# KiCad board led_res_0805_order.kicad_pcb (continued)
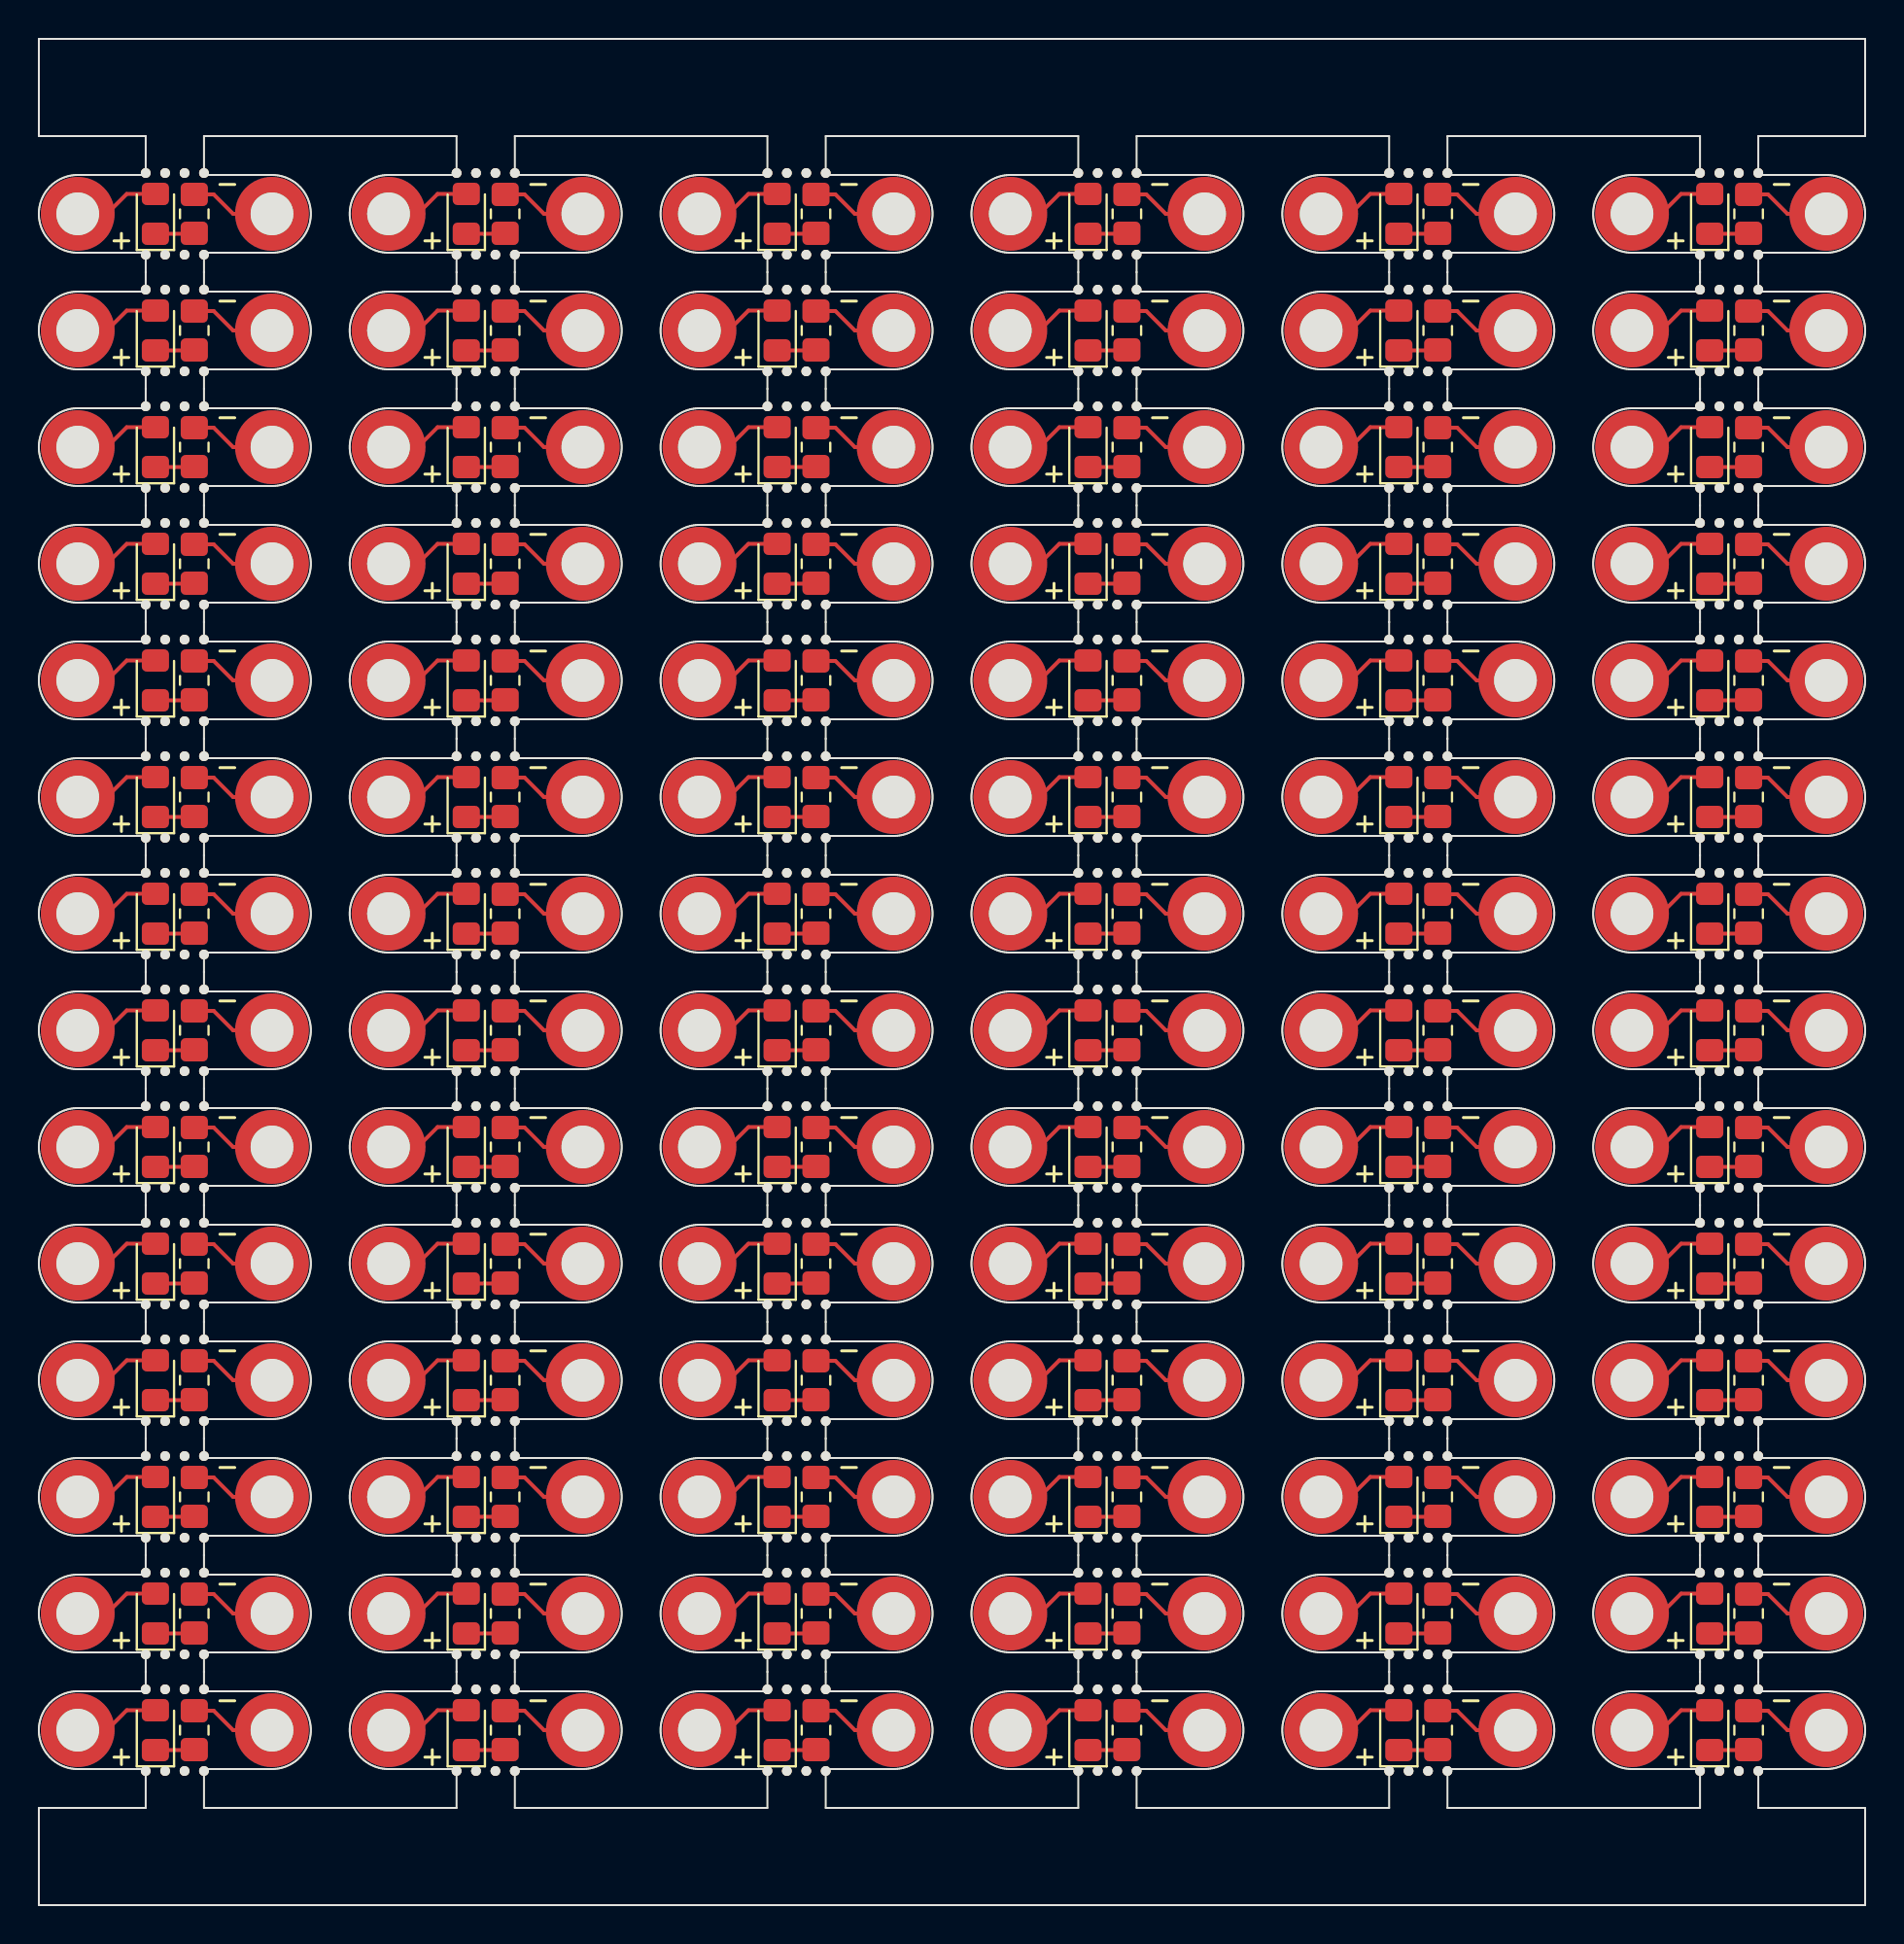
[diagram p0: board, top side]
## Routing (per net, layer and track width the routed paths; a pad name or vN(x,y) marks a point on that pad's centre or on a via; arc(x,y) is an arc through that point) (continued)
Board_7-Net-(D1-K): length 2
  Top w0.2: R1#19.1 23.97,79.98 D1#25.1
Board_7-Net-(H2-Pad1): length 4.4
  Top w0.2: R1#19.2 25,82 26,81 H2#17.1
Board_8-Net-(D1-A): length 4.4
  Top w0.2: D1#51.2 36.52,82.03 35.5,81 H1#7.1
Board_8-Net-(D1-K): length 2
  Top w0.2: R1#20.1 39.97,79.98 D1#51.1
Board_8-Net-(H2-Pad1): length 4.4
  Top w0.2: H2#5.1 42,81 41,82 R1#20.2
Board_9-Net-(D1-A): length 4.4
  Top w0.2: H1#23.1 51.5,81 52.52,82.03 D1#3.2
Board_9-Net-(D1-K): length 2
  Top w0.2: D1#3.1 55.97,79.98 R1#11.1
Board_9-Net-(H2-Pad1): length 4.4
  Top w0.2: H2#35.1 58,81 57,82 R1#11.2
Board_10-Net-(D1-A): length 4.4
  Top w0.2: D1#41.2 68.52,82.03 67.5,81 H1#27.1
Board_10-Net-(D1-K): length 2
  Top w0.2: D1#41.1 71.97,79.98 R1#72.1
Board_10-Net-(H2-Pad1): length 4.4
  Top w0.2: R1#72.2 73,82 74,81 H2#80.1
Board_11-Net-(D1-A): length 4.4
  Top w0.2: D1#66.2 84.52,82.03 83.5,81 H1#52.1
Board_11-Net-(D1-K): length 2
  Top w0.2: D1#66.1 87.97,79.98 R1#83.1
Board_11-Net-(H2-Pad1): length 4.4
  Top w0.2: R1#83.2 89,82 90,81 H2#60.1
Board_12-Net-(D1-A): length 4.4
  Top w0.2: H1#49.1 3.5,75 4.52,76.03 D1#4.2
Board_12-Net-(D1-K): length 2
  Top w0.2: R1#57.1 7.97,73.98 D1#4.1
Board_12-Net-(H2-Pad1): length 4.4
  Top w0.2: R1#57.2 9,76 10,75 H2#25.1
Board_13-Net-(D1-A): length 4.4
  Top w0.2: D1#82.2 20.52,76.03 19.5,75 H1#60.1
Board_13-Net-(D1-K): length 2
  Top w0.2: D1#82.1 23.97,73.98 R1#80.1
Board_13-Net-(H2-Pad1): length 4.4
  Top w0.2: R1#80.2 25,76 26,75 H2#41.1
Board_14-Net-(D1-A): length 4.4
  Top w0.2: H1#43.1 35.5,75 36.52,76.03 D1#81.2
Board_14-Net-(D1-K): length 2
  Top w0.2: R1#51.1 39.97,73.98 D1#81.1
Board_14-Net-(H2-Pad1): length 4.4
  Top w0.2: R1#51.2 41,76 42,75 H2#26.1
Board_15-Net-(D1-A): length 4.4
  Top w0.2: D1#7.2 52.52,76.03 51.5,75 H1#5.1
Board_15-Net-(D1-K): length 2
  Top w0.2: R1#79.1 55.97,73.98 D1#7.1
Board_15-Net-(H2-Pad1): length 4.4
  Top w0.2: H2#46.1 58,75 57,76 R1#79.2
Board_16-Net-(D1-A): length 4.4
  Top w0.2: D1#59.2 68.52,76.03 67.5,75 H1#50.1
Board_16-Net-(D1-K): length 2
  Top w0.2: R1#17.1 71.97,73.98 D1#59.1
Board_16-Net-(H2-Pad1): length 4.4
  Top w0.2: R1#17.2 73,76 74,75 H2#59.1
Board_17-Net-(D1-A): length 4.4
  Top w0.2: H1#57.1 83.5,75 84.52,76.03 D1#69.2
Board_17-Net-(D1-K): length 2
  Top w0.2: D1#69.1 87.97,73.98 R1#67.1
Board_17-Net-(H2-Pad1): length 4.4
  Top w0.2: H2#38.1 90,75 89,76 R1#67.2
Board_18-Net-(D1-A): length 4.4
  Top w0.2: H1#61.1 3.5,69 4.52,70.03 D1#45.2
Board_18-Net-(D1-K): length 2
  Top w0.2: R1#5.1 7.97,67.98 D1#45.1
Board_18-Net-(H2-Pad1): length 4.4
  Top w0.2: R1#5.2 9,70 10,69 H2#77.1
Board_19-Net-(D1-A): length 4.4
  Top w0.2: D1#48.2 20.52,70.03 19.5,69 H1#76.1
Board_19-Net-(D1-K): length 2
  Top w0.2: D1#48.1 23.97,67.98 R1#33.1
Board_19-Net-(H2-Pad1): length 4.4
  Top w0.2: R1#33.2 25,70 26,69 H2#20.1
Board_20-Net-(D1-A): length 4.4
  Top w0.2: H1#25.1 35.5,69 36.52,70.03 D1#33.2
Board_20-Net-(D1-K): length 2
  Top w0.2: R1#49.1 39.97,67.98 D1#33.1
Board_20-Net-(H2-Pad1): length 4.4
  Top w0.2: R1#49.2 41,70 42,69 H2#54.1
Board_21-Net-(D1-A): length 4.4
  Top w0.2: H1#74.1 51.5,69 52.52,70.03 D1#75.2
Board_21-Net-(D1-K): length 2
  Top w0.2: R1#12.1 55.97,67.98 D1#75.1
Board_21-Net-(H2-Pad1): length 4.4
  Top w0.2: H2#73.1 58,69 57,70 R1#12.2
Board_22-Net-(D1-A): length 4.4
  Top w0.2: H1#75.1 67.5,69 68.52,70.03 D1#34.2
Board_22-Net-(D1-K): length 2
  Top w0.2: D1#34.1 71.97,67.98 R1#58.1
Board_22-Net-(H2-Pad1): length 4.4
  Top w0.2: R1#58.2 73,70 74,69 H2#32.1
Board_23-Net-(D1-A): length 4.4
  Top w0.2: D1#73.2 84.52,70.03 83.5,69 H1#67.1
Board_23-Net-(D1-K): length 2
  Top w0.2: R1#39.1 87.97,67.98 D1#73.1
Board_23-Net-(H2-Pad1): length 4.4
  Top w0.2: H2#14.1 90,69 89,70 R1#39.2
Board_24-Net-(D1-A): length 4.4
  Top w0.2: H1#59.1 3.5,63 4.52,64.03 D1#46.2
Board_24-Net-(D1-K): length 2
  Top w0.2: D1#46.1 7.97,61.98 R1#16.1
Board_24-Net-(H2-Pad1): length 4.4
  Top w0.2: R1#16.2 9,64 10,63 H2#71.1
Board_25-Net-(D1-A): length 4.4
  Top w0.2: D1#72.2 20.52,64.03 19.5,63 H1#44.1
Board_25-Net-(D1-K): length 2
  Top w0.2: R1#52.1 23.97,61.98 D1#72.1
Board_25-Net-(H2-Pad1): length 4.4
  Top w0.2: H2#45.1 26,63 25,64 R1#52.2
Board_26-Net-(D1-A): length 4.4
  Top w0.2: D1#62.2 36.52,64.03 35.5,63 H1#79.1
Board_26-Net-(D1-K): length 2
  Top w0.2: D1#62.1 39.97,61.98 R1#46.1
Board_26-Net-(H2-Pad1): length 4.4
  Top w0.2: H2#52.1 42,63 41,64 R1#46.2
Board_27-Net-(D1-A): length 4.4
  Top w0.2: D1#20.2 52.52,64.03 51.5,63 H1#46.1
Board_27-Net-(D1-K): length 2
  Top w0.2: D1#20.1 55.97,61.98 R1#59.1
Board_27-Net-(H2-Pad1): length 4.4
  Top w0.2: H2#49.1 58,63 57,64 R1#59.2
Board_28-Net-(D1-A): length 4.4
  Top w0.2: D1#14.2 68.52,64.03 67.5,63 H1#41.1
Board_28-Net-(D1-K): length 2
  Top w0.2: R1#69.1 71.97,61.98 D1#14.1
Board_28-Net-(H2-Pad1): length 4.4
  Top w0.2: H2#84.1 74,63 73,64 R1#69.2
Board_29-Net-(D1-A): length 4.4
  Top w0.2: H1#56.1 83.5,63 84.52,64.03 D1#11.2
Board_29-Net-(D1-K): length 2
  Top w0.2: R1#75.1 87.97,61.98 D1#11.1
Board_29-Net-(H2-Pad1): length 4.4
  Top w0.2: R1#75.2 89,64 90,63 H2#70.1
Board_30-Net-(D1-A): length 4.4
  Top w0.2: H1#65.1 3.5,57 4.52,58.03 D1#55.2
Board_30-Net-(D1-K): length 2
  Top w0.2: D1#55.1 7.97,55.98 R1#8.1
Board_30-Net-(H2-Pad1): length 4.4
  Top w0.2: R1#8.2 9,58 10,57 H2#4.1
Board_31-Net-(D1-A): length 4.4
  Top w0.2: H1#3.1 19.5,57 20.52,58.03 D1#65.2
Board_31-Net-(D1-K): length 2
  Top w0.2: D1#65.1 23.97,55.98 R1#63.1
Board_31-Net-(H2-Pad1): length 4.4
  Top w0.2: H2#61.1 26,57 25,58 R1#63.2
Board_32-Net-(D1-A): length 4.4
  Top w0.2: H1#72.1 35.5,57 36.52,58.03 D1#83.2
Board_32-Net-(D1-K): length 2
  Top w0.2: D1#83.1 39.97,55.98 R1#45.1
Board_32-Net-(H2-Pad1): length 4.4
  Top w0.2: R1#45.2 41,58 42,57 H2#10.1
Board_33-Net-(D1-A): length 4.4
  Top w0.2: D1#42.2 52.52,58.03 51.5,57 H1#42.1
Board_33-Net-(D1-K): length 2
  Top w0.2: D1#42.1 55.97,55.98 R1#7.1
Board_33-Net-(H2-Pad1): length 4.4
  Top w0.2: R1#7.2 57,58 58,57 H2#13.1
Board_34-Net-(D1-A): length 4.4
  Top w0.2: H1#14.1 67.5,57 68.52,58.03 D1#57.2
Board_34-Net-(D1-K): length 2
  Top w0.2: D1#57.1 71.97,55.98 R1#3.1
Board_34-Net-(H2-Pad1): length 4.4
  Top w0.2: R1#3.2 73,58 74,57 H2#66.1
Board_35-Net-(D1-A): length 4.4
  Top w0.2: H1#10.1 83.5,57 84.52,58.03 D1#29.2
Board_35-Net-(D1-K): length 2
  Top w0.2: D1#29.1 87.97,55.98 R1#61.1
Board_35-Net-(H2-Pad1): length 4.4
  Top w0.2: R1#61.2 89,58 90,57 H2#36.1
Board_36-Net-(D1-A): length 4.4
  Top w0.2: D1#77.2 4.52,52.03 3.5,51 H1.1
Board_36-Net-(D1-K): length 2
  Top w0.2: D1#77.1 7.97,49.98 R1#47.1
Board_36-Net-(H2-Pad1): length 4.4
  Top w0.2: H2#16.1 10,51 9,52 R1#47.2
Board_37-Net-(D1-A): length 4.4
  Top w0.2: D1#78.2 20.52,52.03 19.5,51 H1#18.1
Board_37-Net-(D1-K): length 2
  Top w0.2: D1#78.1 23.97,49.98 R1#15.1
Board_37-Net-(H2-Pad1): length 4.4
  Top w0.2: H2#2.1 26,51 25,52 R1#15.2
Board_38-Net-(D1-A): length 4.4
  Top w0.2: D1#70.2 36.52,52.03 35.5,51 H1#32.1
Board_38-Net-(D1-K): length 2
  Top w0.2: D1#70.1 39.97,49.98 R1#77.1
Board_38-Net-(H2-Pad1): length 4.4
  Top w0.2: R1#77.2 41,52 42,51 H2#78.1
Board_39-Net-(D1-A): length 4.4
  Top w0.2: D1#8.2 52.52,52.03 51.5,51 H1#8.1
Board_39-Net-(D1-K): length 2
  Top w0.2: R1#9.1 55.97,49.98 D1#8.1
Board_39-Net-(H2-Pad1): length 4.4
  Top w0.2: R1#9.2 57,52 58,51 H2#15.1
Board_40-Net-(D1-A): length 4.4
  Top w0.2: H1#77.1 67.5,51 68.52,52.03 D1#12.2
Board_40-Net-(D1-K): length 2
  Top w0.2: D1#12.1 71.97,49.98 R1#44.1
Board_40-Net-(H2-Pad1): length 4.4
  Top w0.2: H2#50.1 74,51 73,52 R1#44.2
Board_41-Net-(D1-A): length 4.4
  Top w0.2: D1#26.2 84.52,52.03 83.5,51 H1#22.1
Board_41-Net-(D1-K): length 2
  Top w0.2: R1#23.1 87.97,49.98 D1#26.1
Board_41-Net-(H2-Pad1): length 4.4
  Top w0.2: R1#23.2 89,52 90,51 H2#6.1
Board_42-Net-(D1-A): length 4.4
  Top w0.2: H1#38.1 3.5,45 4.52,46.03 D1#67.2
Board_42-Net-(D1-K): length 2
  Top w0.2: D1#67.1 7.97,43.98 R1#84.1
Board_42-Net-(H2-Pad1): length 4.4
  Top w0.2: R1#84.2 9,46 10,45 H2#33.1
Board_43-Net-(D1-A): length 4.4
  Top w0.2: D1#76.2 20.52,46.03 19.5,45 H1#29.1
Board_43-Net-(D1-K): length 2
  Top w0.2: R1#26.1 23.97,43.98 D1#76.1
Board_43-Net-(H2-Pad1): length 4.4
  Top w0.2: R1#26.2 25,46 26,45 H2#22.1
Board_44-Net-(D1-A): length 4.4
  Top w0.2: H1#81.1 35.5,45 36.52,46.03 D1#56.2
Board_44-Net-(D1-K): length 2
  Top w0.2: R1#18.1 39.97,43.98 D1#56.1
Board_44-Net-(H2-Pad1): length 4.4
  Top w0.2: R1#18.2 41,46 42,45 H2#37.1
Board_45-Net-(D1-A): length 4.4
  Top w0.2: D1#63.2 52.52,46.03 51.5,45 H1#64.1
Board_45-Net-(D1-K): length 2
  Top w0.2: D1#63.1 55.97,43.98 R1#30.1
Board_45-Net-(H2-Pad1): length 4.4
  Top w0.2: H2.1 58,45 57,46 R1#30.2
Board_46-Net-(D1-A): length 4.4
  Top w0.2: D1#44.2 68.52,46.03 67.5,45 H1#31.1
Board_46-Net-(D1-K): length 2
  Top w0.2: D1#44.1 71.97,43.98 R1.1
Board_46-Net-(H2-Pad1): length 4.4
  Top w0.2: R1.2 73,46 74,45 H2#31.1
Board_47-Net-(D1-A): length 4.4
  Top w0.2: D1#80.2 84.52,46.03 83.5,45 H1#24.1
Board_47-Net-(D1-K): length 2
  Top w0.2: R1#10.1 87.97,43.98 D1#80.1
Board_47-Net-(H2-Pad1): length 4.4
  Top w0.2: H2#62.1 90,45 89,46 R1#10.2
Board_48-Net-(D1-A): length 4.4
  Top w0.2: D1#37.2 4.52,40.03 3.5,39 H1#28.1
Board_48-Net-(D1-K): length 2
  Top w0.2: R1#56.1 7.97,37.98 D1#37.1
Board_48-Net-(H2-Pad1): length 4.4
  Top w0.2: H2#58.1 10,39 9,40 R1#56.2
Board_49-Net-(D1-A): length 4.4
  Top w0.2: H1#2.1 19.5,39 20.52,40.03 D1#24.2
Board_49-Net-(D1-K): length 2
  Top w0.2: D1#24.1 23.97,37.98 R1#34.1
Board_49-Net-(H2-Pad1): length 4.4
  Top w0.2: H2#65.1 26,39 25,40 R1#34.2
Board_50-Net-(D1-A): length 4.4
  Top w0.2: D1#31.2 36.52,40.03 35.5,39 H1#73.1
Board_50-Net-(D1-K): length 2
  Top w0.2: R1#68.1 39.97,37.98 D1#31.1
Board_50-Net-(H2-Pad1): length 4.4
  Top w0.2: H2#12.1 42,39 41,40 R1#68.2
Board_51-Net-(D1-A): length 4.4
  Top w0.2: D1#32.2 52.52,40.03 51.5,39 H1#71.1
Board_51-Net-(D1-K): length 2
  Top w0.2: D1#32.1 55.97,37.98 R1#43.1
Board_51-Net-(H2-Pad1): length 4.4
  Top w0.2: H2#48.1 58,39 57,40 R1#43.2
Board_52-Net-(D1-A): length 4.4
  Top w0.2: D1#54.2 68.52,40.03 67.5,39 H1#53.1
Board_52-Net-(D1-K): length 2
  Top w0.2: D1#54.1 71.97,37.98 R1#73.1
Board_52-Net-(H2-Pad1): length 4.4
  Top w0.2: R1#73.2 73,40 74,39 H2#81.1
Board_53-Net-(D1-A): length 4.4
  Top w0.2: H1#54.1 83.5,39 84.52,40.03 D1#5.2
Board_53-Net-(D1-K): length 2
  Top w0.2: D1#5.1 87.97,37.98 R1#66.1
Board_53-Net-(H2-Pad1): length 4.4
  Top w0.2: R1#66.2 89,40 90,39 H2#68.1
Board_54-Net-(D1-A): length 4.4
  Top w0.2: D1#39.2 4.52,34.03 3.5,33 H1#37.1
Board_54-Net-(D1-K): length 2
  Top w0.2: R1#50.1 7.97,31.98 D1#39.1
Board_54-Net-(H2-Pad1): length 4.4
  Top w0.2: H2#11.1 10,33 9,34 R1#50.2
Board_55-Net-(D1-A): length 4.4
  Top w0.2: D1.2 20.52,34.03 19.5,33 H1#11.1
Board_55-Net-(D1-K): length 2
  Top w0.2: R1#24.1 23.97,31.98 D1.1
Board_55-Net-(H2-Pad1): length 4.4
  Top w0.2: H2#40.1 26,33 25,34 R1#24.2
Board_56-Net-(D1-A): length 4.4
  Top w0.2: H1#62.1 35.5,33 36.52,34.03 D1#10.2
Board_56-Net-(D1-K): length 2
  Top w0.2: D1#10.1 39.97,31.98 R1#62.1
Board_56-Net-(H2-Pad1): length 4.4
  Top w0.2: R1#62.2 41,34 42,33 H2#82.1
Board_57-Net-(D1-A): length 4.4
  Top w0.2: D1#9.2 52.52,34.03 51.5,33 H1#83.1
Board_57-Net-(D1-K): length 2
  Top w0.2: R1#41.1 55.97,31.98 D1#9.1
Board_57-Net-(H2-Pad1): length 4.4
  Top w0.2: R1#41.2 57,34 58,33 H2#79.1
Board_58-Net-(D1-A): length 4.4
  Top w0.2: D1#79.2 68.52,34.03 67.5,33 H1#84.1
Board_58-Net-(D1-K): length 2
  Top w0.2: R1#74.1 71.97,31.98 D1#79.1
Board_58-Net-(H2-Pad1): length 4.4
  Top w0.2: H2#47.1 74,33 73,34 R1#74.2
Board_59-Net-(D1-A): length 4.4
  Top w0.2: H1#68.1 83.5,33 84.52,34.03 D1#28.2
Board_59-Net-(D1-K): length 2
  Top w0.2: D1#28.1 87.97,31.98 R1#38.1
Board_59-Net-(H2-Pad1): length 4.4
  Top w0.2: R1#38.2 89,34 90,33 H2#53.1
Board_60-Net-(D1-A): length 4.4
  Top w0.2: H1#13.1 3.5,27 4.52,28.03 D1#2.2
Board_60-Net-(D1-K): length 2
  Top w0.2: R1#40.1 7.97,25.98 D1#2.1
Board_60-Net-(H2-Pad1): length 4.4
  Top w0.2: R1#40.2 9,28 10,27 H2#19.1
Board_61-Net-(D1-A): length 4.4
  Top w0.2: D1#43.2 20.52,28.03 19.5,27 H1#69.1
Board_61-Net-(D1-K): length 2
  Top w0.2: D1#43.1 23.97,25.98 R1#65.1
Board_61-Net-(H2-Pad1): length 4.4
  Top w0.2: H2#8.1 26,27 25,28 R1#65.2
Board_62-Net-(D1-A): length 4.4
  Top w0.2: D1#50.2 36.52,28.03 35.5,27 H1#20.1
Board_62-Net-(D1-K): length 2
  Top w0.2: R1#71.1 39.97,25.98 D1#50.1
Board_62-Net-(H2-Pad1): length 4.4
  Top w0.2: R1#71.2 41,28 42,27 H2#7.1
Board_63-Net-(D1-A): length 4.4
  Top w0.2: D1#38.2 52.52,28.03 51.5,27 H1#78.1
Board_63-Net-(D1-K): length 2
  Top w0.2: D1#38.1 55.97,25.98 R1#76.1
Board_63-Net-(H2-Pad1): length 4.4
  Top w0.2: R1#76.2 57,28 58,27 H2#72.1
Board_64-Net-(D1-A): length 4.4
  Top w0.2: H1#47.1 67.5,27 68.52,28.03 D1#61.2
Board_64-Net-(D1-K): length 2
  Top w0.2: R1#35.1 71.97,25.98 D1#61.1
Board_64-Net-(H2-Pad1): length 4.4
  Top w0.2: R1#35.2 73,28 74,27 H2#67.1
Board_65-Net-(D1-A): length 4.4
  Top w0.2: D1#21.2 84.52,28.03 83.5,27 H1#12.1
Board_65-Net-(D1-K): length 2
  Top w0.2: D1#21.1 87.97,25.98 R1#27.1
Board_65-Net-(H2-Pad1): length 4.4
  Top w0.2: H2#34.1 90,27 89,28 R1#27.2
Board_66-Net-(D1-A): length 4.4
  Top w0.2: D1#40.2 4.52,22.03 3.5,21 H1#30.1
Board_66-Net-(D1-K): length 2
  Top w0.2: D1#40.1 7.97,19.98 R1#6.1
Board_66-Net-(H2-Pad1): length 4.4
  Top w0.2: R1#6.2 9,22 10,21 H2#18.1
Board_67-Net-(D1-A): length 4.4
  Top w0.2: D1#68.2 20.52,22.03 19.5,21 H1#39.1
Board_67-Net-(D1-K): length 2
  Top w0.2: D1#68.1 23.97,19.98 R1#60.1
Board_67-Net-(H2-Pad1): length 4.4
  Top w0.2: R1#60.2 25,22 26,21 H2#63.1
Board_68-Net-(D1-A): length 4.4
  Top w0.2: D1#17.2 36.52,22.03 35.5,21 H1#35.1
Board_68-Net-(D1-K): length 2
  Top w0.2: R1#14.1 39.97,19.98 D1#17.1
Board_68-Net-(H2-Pad1): length 4.4
  Top w0.2: H2#23.1 42,21 41,22 R1#14.2
Board_69-Net-(D1-A): length 4.4
  Top w0.2: D1#47.2 52.52,22.03 51.5,21 H1#36.1
Board_69-Net-(D1-K): length 2
  Top w0.2: D1#47.1 55.97,19.98 R1#4.1
Board_69-Net-(H2-Pad1): length 4.4
  Top w0.2: H2#76.1 58,21 57,22 R1#4.2
Board_70-Net-(D1-A): length 4.4
  Top w0.2: D1#15.2 68.52,22.03 67.5,21 H1#9.1
Board_70-Net-(D1-K): length 2
  Top w0.2: R1#53.1 71.97,19.98 D1#15.1
Board_70-Net-(H2-Pad1): length 4.4
  Top w0.2: H2#74.1 74,21 73,22 R1#53.2
Board_71-Net-(D1-A): length 4.4
  Top w0.2: H1#17.1 83.5,21 84.52,22.03 D1#58.2
Board_71-Net-(D1-K): length 2
  Top w0.2: D1#58.1 87.97,19.98 R1#32.1
Board_71-Net-(H2-Pad1): length 4.4
  Top w0.2: H2#55.1 90,21 89,22 R1#32.2
Board_72-Net-(D1-A): length 4.4
  Top w0.2: H1#16.1 3.5,15 4.52,16.03 D1#30.2
Board_72-Net-(D1-K): length 2
  Top w0.2: D1#30.1 7.97,13.98 R1#54.1
Board_72-Net-(H2-Pad1): length 4.4
  Top w0.2: R1#54.2 9,16 10,15 H2#27.1
Board_73-Net-(D1-A): length 4.4
  Top w0.2: D1#27.2 20.52,16.03 19.5,15 H1#15.1
Board_73-Net-(D1-K): length 2
  Top w0.2: R1#13.1 23.97,13.98 D1#27.1
Board_73-Net-(H2-Pad1): length 4.4
  Top w0.2: R1#13.2 25,16 26,15 H2#30.1
Board_74-Net-(D1-A): length 4.4
  Top w0.2: D1#53.2 36.52,16.03 35.5,15 H1#55.1
Board_74-Net-(D1-K): length 2
  Top w0.2: D1#53.1 39.97,13.98 R1#22.1
Board_74-Net-(H2-Pad1): length 4.4
  Top w0.2: R1#22.2 41,16 42,15 H2#83.1
Board_75-Net-(D1-A): length 4.4
  Top w0.2: H1#34.1 51.5,15 52.52,16.03 D1#49.2
Board_75-Net-(D1-K): length 2
  Top w0.2: R1#82.1 55.97,13.98 D1#49.1
Board_75-Net-(H2-Pad1): length 4.4
  Top w0.2: H2#29.1 58,15 57,16 R1#82.2
Board_76-Net-(D1-A): length 4.4
  Top w0.2: H1#26.1 67.5,15 68.52,16.03 D1#36.2
Board_76-Net-(D1-K): length 2
  Top w0.2: R1#48.1 71.97,13.98 D1#36.1
Board_76-Net-(H2-Pad1): length 4.4
  Top w0.2: R1#48.2 73,16 74,15 H2#51.1
Board_77-Net-(D1-A): length 4.4
  Top w0.2: H1#45.1 83.5,15 84.52,16.03 D1#19.2
Board_77-Net-(D1-K): length 2
  Top w0.2: R1#21.1 87.97,13.98 D1#19.1
Board_77-Net-(H2-Pad1): length 4.4
  Top w0.2: R1#21.2 89,16 90,15 H2#28.1
Board_78-Net-(D1-A): length 4.4
  Top w0.2: H1#6.1 3.5,9 4.52,10.03 D1#35.2
Board_78-Net-(D1-K): length 2
  Top w0.2: R1#42.1 7.97,7.98 D1#35.1
Board_78-Net-(H2-Pad1): length 4.4
  Top w0.2: R1#42.2 9,10 10,9 H2#56.1
Board_79-Net-(D1-A): length 4.4
  Top w0.2: D1#23.2 20.52,10.03 19.5,9 H1#33.1
Board_79-Net-(D1-K): length 2
  Top w0.2: D1#23.1 23.97,7.98 R1#81.1
Board_79-Net-(H2-Pad1): length 4.4
  Top w0.2: H2#64.1 26,9 25,10 R1#81.2
Board_80-Net-(D1-A): length 4.4
  Top w0.2: H1#40.1 35.5,9 36.52,10.03 D1#13.2
Board_80-Net-(D1-K): length 2
  Top w0.2: R1#36.1 39.97,7.98 D1#13.1
Board_80-Net-(H2-Pad1): length 4.4
  Top w0.2: R1#36.2 41,10 42,9 H2#42.1
Board_81-Net-(D1-A): length 4.4
  Top w0.2: H1#82.1 51.5,9 52.52,10.03 D1#60.2
Board_81-Net-(D1-K): length 2
  Top w0.2: R1#31.1 55.97,7.98 D1#60.1
Board_81-Net-(H2-Pad1): length 4.4
  Top w0.2: H2#69.1 58,9 57,10 R1#31.2
Board_82-Net-(D1-A): length 4.4
  Top w0.2: H1#66.1 67.5,9 68.52,10.03 D1#71.2
Board_82-Net-(D1-K): length 2
  Top w0.2: R1#64.1 71.97,7.98 D1#71.1
Board_82-Net-(H2-Pad1): length 4.4
  Top w0.2: R1#64.2 73,10 74,9 H2#57.1
Board_83-Net-(D1-A): length 4.4
  Top w0.2: D1#6.2 84.52,10.03 83.5,9 H1#70.1
Board_83-Net-(D1-K): length 2
  Top w0.2: R1#55.1 87.97,7.98 D1#6.1
Board_83-Net-(H2-Pad1): length 4.4
  Top w0.2: R1#55.2 89,10 90,9 H2#9.1

## Text on the board
B.Silkscreen: @flicker / stitch | 0805
F.Silkscreen: + | -
